# Allegro board Coral-Dev-Board-Mini-layout-Allegro.brd (continued)
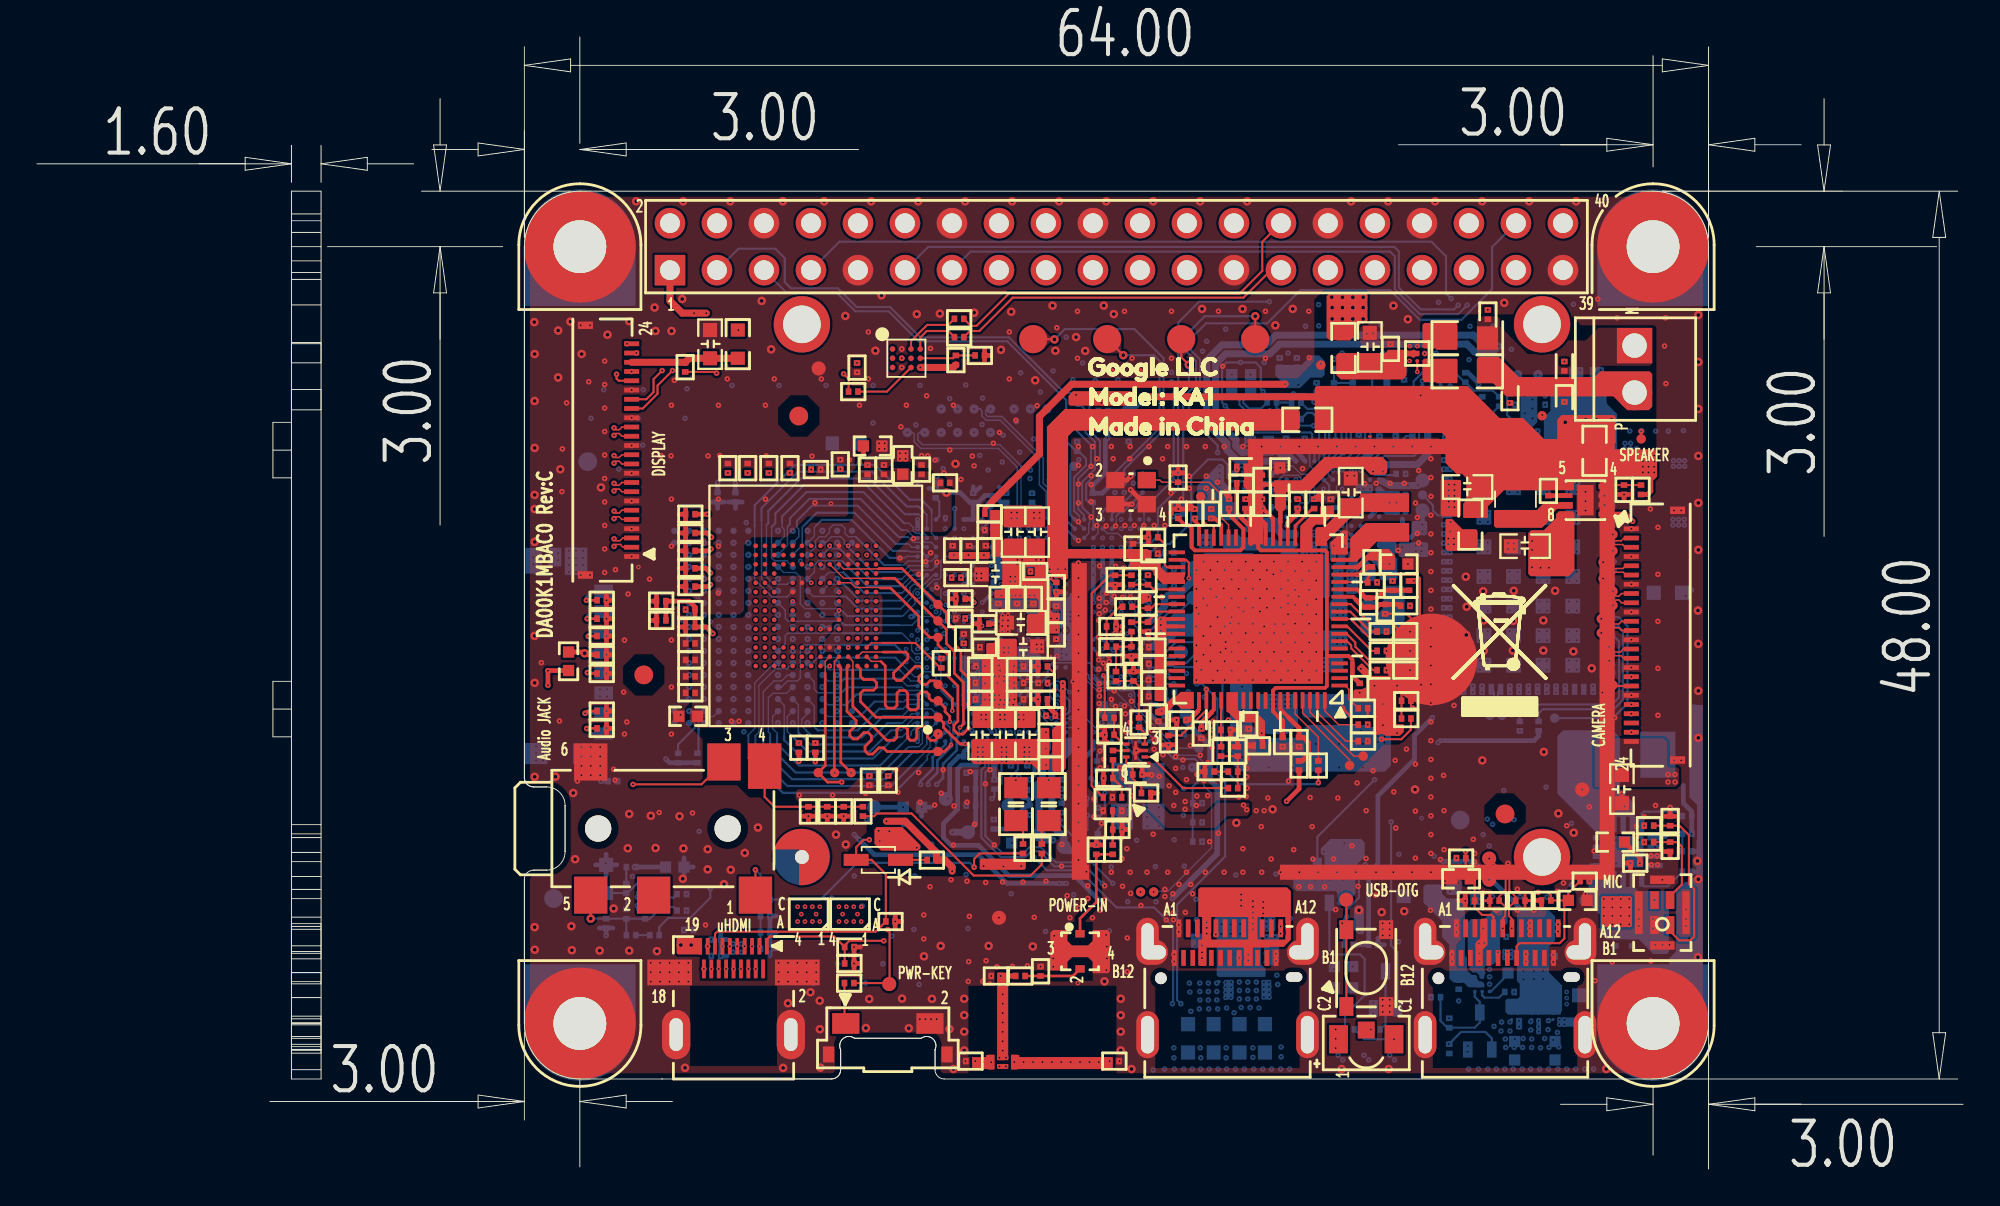
[diagram p0: board, top side]
## Copper pours and planes (outline as drawn; the poured copper is in the pictures) (continued)
N17931598 on TOP (solid shape): 74.15,34.92 74.15,33.93 74.15,33.93 72.41,33.93 71.32,32.84 69.96,32.84 69.96,32.84 69.96,33.03 69.96,33.04 70.87,33.04 70.9,33.04 70.97,33.11 70.97,34.1 71.79,34.92 74.15,34.92
N17932805 on BOTTOM (solid shape): 68.14,27.83 68.14,26.89 68.09,26.84 65.96,26.84 65.93,26.87 65.93,27.83 66.01,27.91 68.07,27.91
N17932805 on L05_POW (solid shape): 69.36,32.66 69.36,29.48 68.53,28.65 68.53,27.78 68.4,27.66 67.03,27.66 66.89,27.8 66.89,29.47 67.93,30.51 67.93,32.68 68.03,32.79 69.24,32.79
N17932805 on L06_GND2 (solid shape): 68.14,28.39 68.14,26.97 68.07,26.89 67.05,26.89 66.87,27.07 66.87,28.67 67.05,28.85 67.69,28.85
N17932805 on L06_GND2 (solid shape): 69.05,33.47 69.05,31.96 68.93,31.85 68.14,31.85 67.96,32.03 67.96,33.37 68.49,33.9 68.62,33.9
N17933000 on BOTTOM (solid shape): 68.17,33.32 68.17,32.85 68.04,32.73 68.04,30.17 67.97,30.09 66.98,30.09 66.87,30.2 66.87,32.96 67.31,33.39 68.1,33.39
N17933054 on L05_POW (solid shape): 71.04,32.61 71.04,28.19 70.53,27.68 68.78,27.68 68.68,27.78 68.68,28.54 69.54,29.4 69.54,32.66 69.72,32.84 70.81,32.84
N17933054 on L06_GND2 (solid shape): 69.95,28.14 69.95,26.97 69.87,26.89 68.47,26.89 68.4,26.97 68.4,28.16 68.83,28.6 69.49,28.6
N17933054 on L06_GND2 (solid shape): 70.63,33.47 70.63,32.02 70.51,31.9 69.82,31.9 69.67,32.05 69.67,33.62 69.97,33.93 70.18,33.93
N17933054 on BOTTOM: 70.97,27.55 70.97,26.77 70.87,26.66 68.45,26.66 68.38,26.74 68.38,27.63 68.43,27.68 70.84,27.68
N17933389 on BOTTOM (solid shape): 71.75,33.32 71.75,33.16 71.88,33.03 71.88,32.92 72.2,32.59 72.26,32.59 72.34,32.51 72.34,31.83 72.29,31.78 71.59,31.78 71.56,31.81 71.56,32.99 71.38,33.17 71.38,33.34 71.49,33.45 71.62,33.45
N17933389 on L08_IN4 (solid shape): 72.1,33.26 72.1,32.19 71.78,31.87 71.63,31.87 71.56,31.93 71.56,32.99 71.38,33.17 71.38,33.34 71.49,33.45 71.91,33.45
N17933396 on BOTTOM (solid shape): 72.29,33.37 72.3,33.35 72.29,33.34 72.41,33.05 72.72,33.09 73.42,33.09 73.52,32.99 73.52,31.9 73.44,31.83 72.68,31.83 72.55,31.96 72.55,32.48 72.31,32.72 72.26,32.72 72.01,32.97 72.01,33.09 71.88,33.21 71.88,33.37 71.99,33.48 72.18,33.48
N17941528 on BOTTOM (solid shape): 63.85,30.02 62.62,28.79 62.58,28.79 61.58,28.79 60.83,28.04 60.83,28.03 59.99,28.03 59.96,28.08 59.96,28.34 60.01,28.38 60.04,28.39 60.25,28.45 60.31,28.66 60.31,28.92 60.32,28.92 61.43,30.02 62.4,30.02 63.02,30.64 63.02,31.54 63.32,31.85 63.85,31.85
GND on BOTTOM (solid shape): 26.34,49.87 29.34,52.87 32.34,49.87 32.34,46.67 26.34,46.67
GND on BOTTOM (solid shape): 32.34,7.87 29.34,4.87 26.34,7.87 26.34,11.07 32.34,11.07
GND on BOTTOM (solid shape): 84.34,49.87 87.34,52.87 90.34,49.87 90.34,46.67 84.34,46.67
GND on BOTTOM (solid shape): 90.34,7.87 87.34,4.87 84.34,7.87 84.34,11.07 90.34,11.07

Small or netless copper shapes (teardrops, artwork), in the pictures only: 11 on TOP, 16 on BOTTOM, 1 on L02_GND1, 6 on L03_IN1, 1 on L05_POW, 1 on L09_IN5

## Text on the board
Ref Des/Silkscreen Bottom: uSD CARD
Board Geometry/Outline: 1.60 | 3.00 | OUTLNE | 64.00 | 48.00
Ref Des/Silkscreen Top: uHDMI | PWR-KEY | POWER-IN | USB-OTG | MIC | SPEAKER | Audio JACK | DISPLAY | CAMERA | DA00K1MBAC0 Rev:C
BODY_CENTER: If the angle of PCB board outline is circular,please use this kind of break out area | If not use it,please delete it before you gerber out | If the angle of PCB board outline is right angle,please use this kind of break out area | AS usual,please use the 0.8MM stamp Via | AS usual,please use the 0.3MM stamp Via
DIMENSION: 3D | 3C | 3B
DEVICE_TYPE_TOP: TOP-HEIGHT
COMPVAL_TYPE_TOP: TOP-COMPONENT
COMPVAL_TYPE_BOTTOM: BOT-COMPONENT
User.7: BOT-HEIGHT
User.8: 3D | 3C | 3B
User.12: 1.60 | 3.00 | OUTLNE | 64.00 | 48.00
User.13: 3D | 3C | 3B
User.21: FIGURE | FINISHED_SIZE | 4.0 | DRILL CHART: TOP to L02_GND1 | ALL UNITS ARE IN MILS | ROTATION | - | PLATED | QTY | 1365
User.23: FIGURE | FINISHED_SIZE | 8.0 | 42.0 | 52.0 | 80.0 | 112.0 | 25.0 | 56.0 | 50.0x30.0 | 70.0x28.0 | 77.0x26.0 | 80.0x28.0 | 35.0x20.0 | DRILL CHART: TOP to BOTTOM | ALL UNITS ARE IN MILS | ROTATION | - | 0.000 | 90.000 | PLATED | NON-PLATED | QTY | 191 | 40 | 2 | 4
User.24: FIGURE | FINISHED_SIZE | 4.0 | DRILL CHART: L06_GND2 to L07_IN3 | ALL UNITS ARE IN MILS | ROTATION | - | PLATED | QTY | 843
User.25: FIGURE | FINISHED_SIZE | 4.0 | DRILL CHART: L08_IN4 to L09_IN5 | ALL UNITS ARE IN MILS | ROTATION | - | PLATED | QTY | 1265
User.26: FIGURE | FINISHED_SIZE | 4.0 | DRILL CHART: L07_IN3 to L08_IN4 | ALL UNITS ARE IN MILS | ROTATION | - | PLATED | QTY | 963
User.27: FIGURE | FINISHED_SIZE | 4.0 | DRILL CHART: L09_IN5 to BOTTOM | ALL UNITS ARE IN MILS | ROTATION | - | PLATED | QTY | 1707
User.28: FIGURE | FINISHED_SIZE | 4.0 | DRILL CHART: L02_GND1 to L03_IN1 | ALL UNITS ARE IN MILS | ROTATION | - | PLATED | QTY | 1121
User.29: FIGURE | FINISHED_SIZE | 4.0 | DRILL CHART: L03_IN1 to L04_IN2 | ALL UNITS ARE IN MILS | ROTATION | - | PLATED | QTY | 881
User.30: FIGURE | FINISHED_SIZE | 4.0 | DRILL CHART: L04_IN2 to L05_POW | ALL UNITS ARE IN MILS | ROTATION | - | PLATED | QTY | 455
User.31: FIGURE | FINISHED_SIZE | 8.0 | DRILL CHART: L05_POW to L06_GND2 | ALL UNITS ARE IN MILS | ROTATION | - | PLATED | QTY | 517
User.32: FIGURE | FINISHED_SIZE | 8.0 | DRILL CHART: L03_IN1 to L08_IN4 | ALL UNITS ARE IN MILS | ROTATION | - | PLATED | QTY | 89
